# Altium PCB PIF_robot.PcbDoc (part 1 of 2)
Units mm, origin at the board's own origin, x right, y up, seen from the top; angles counter-clockwise.
Board outline 99.92 x 73.06 mm, 2 copper layers (Top Layer, Bottom Layer); 160 components, 159 nets, 631 pads, 242 vias.
Unrouted connection lines stored in the file: 4.
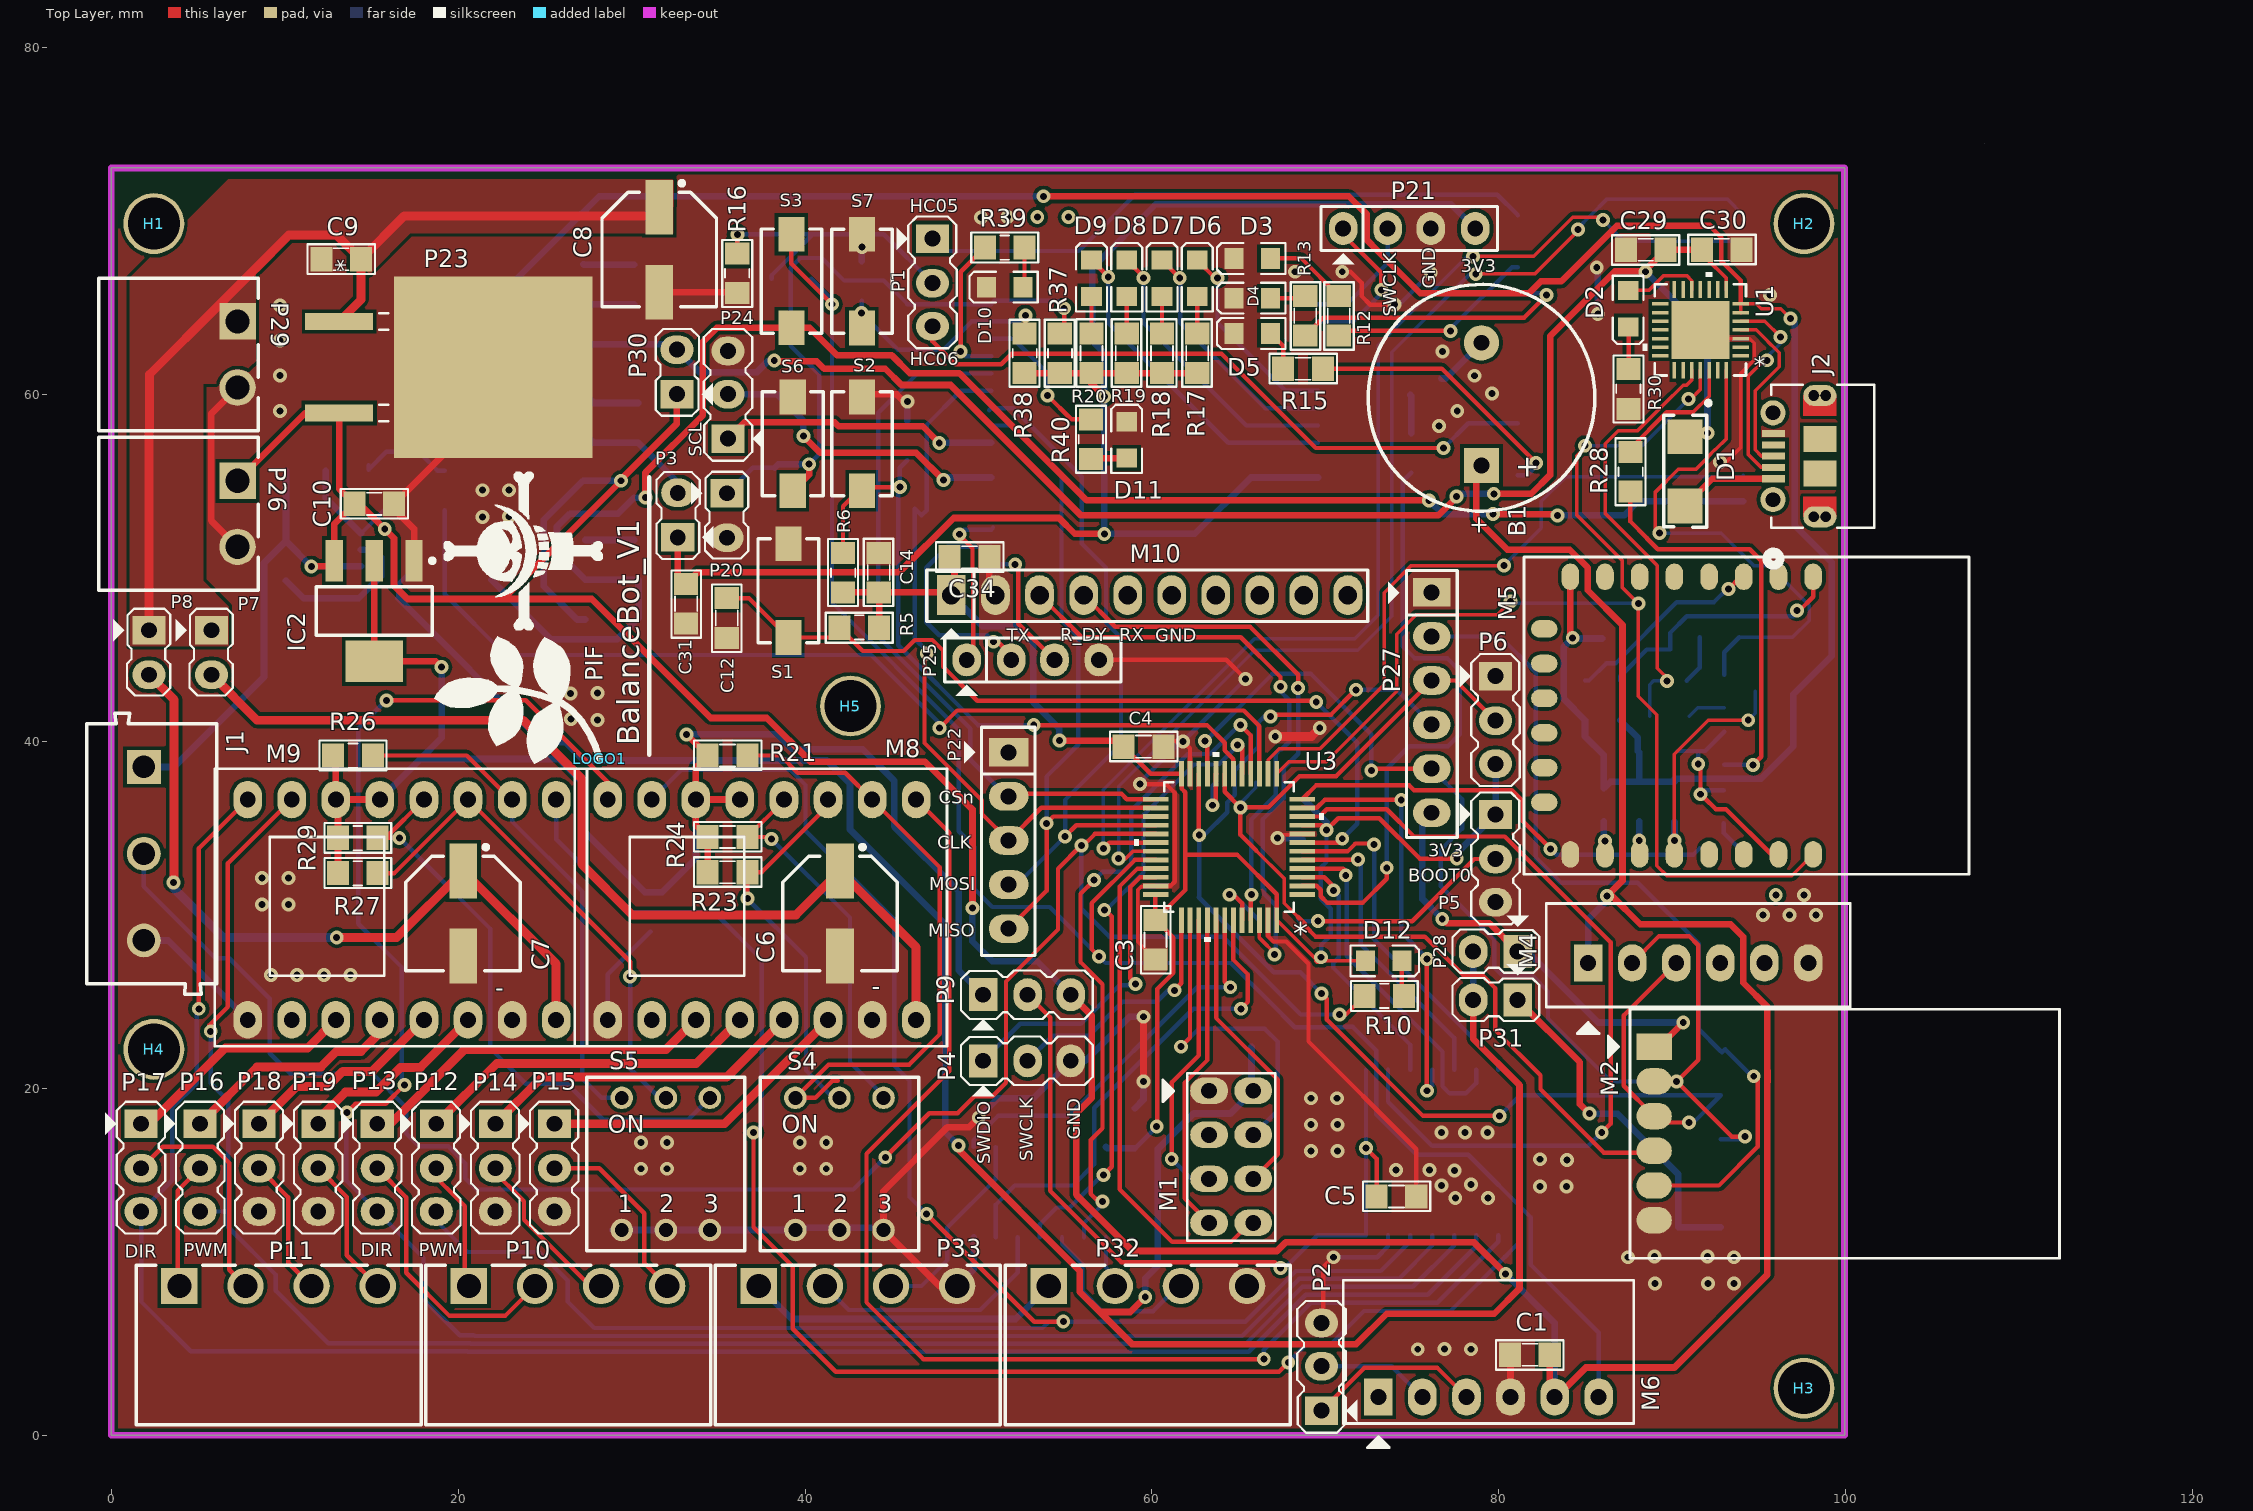
[diagram p0: Top Layer view]
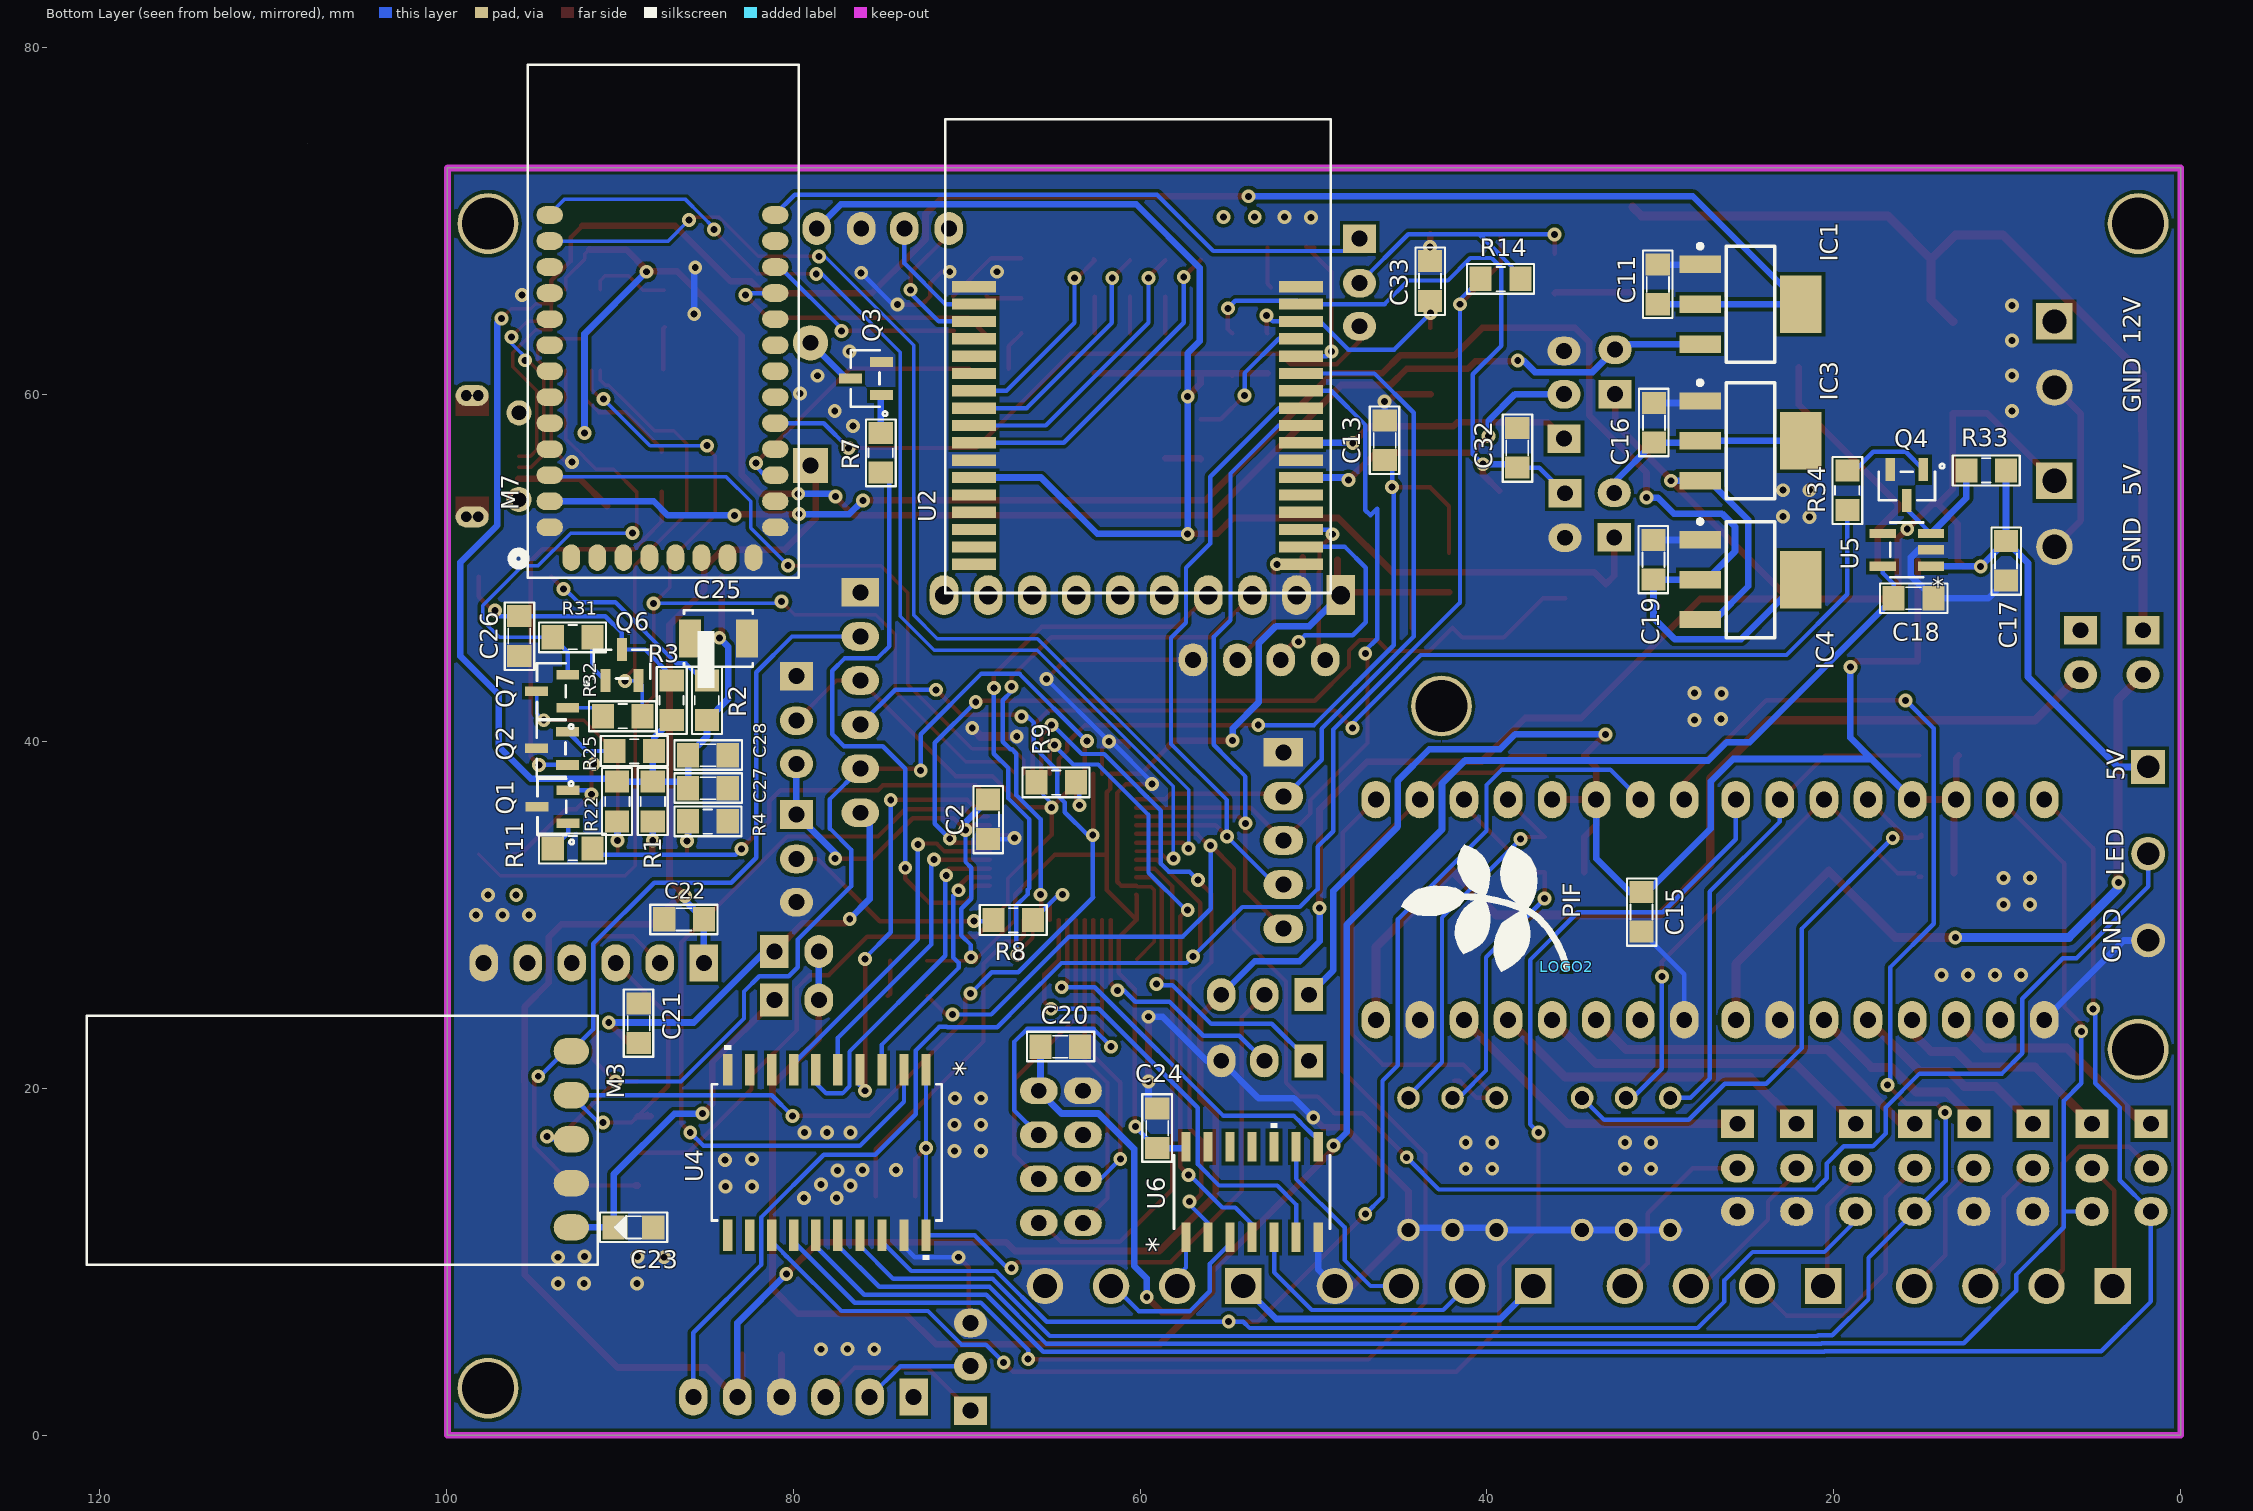
[diagram p1: Bottom Layer view, seen from below]
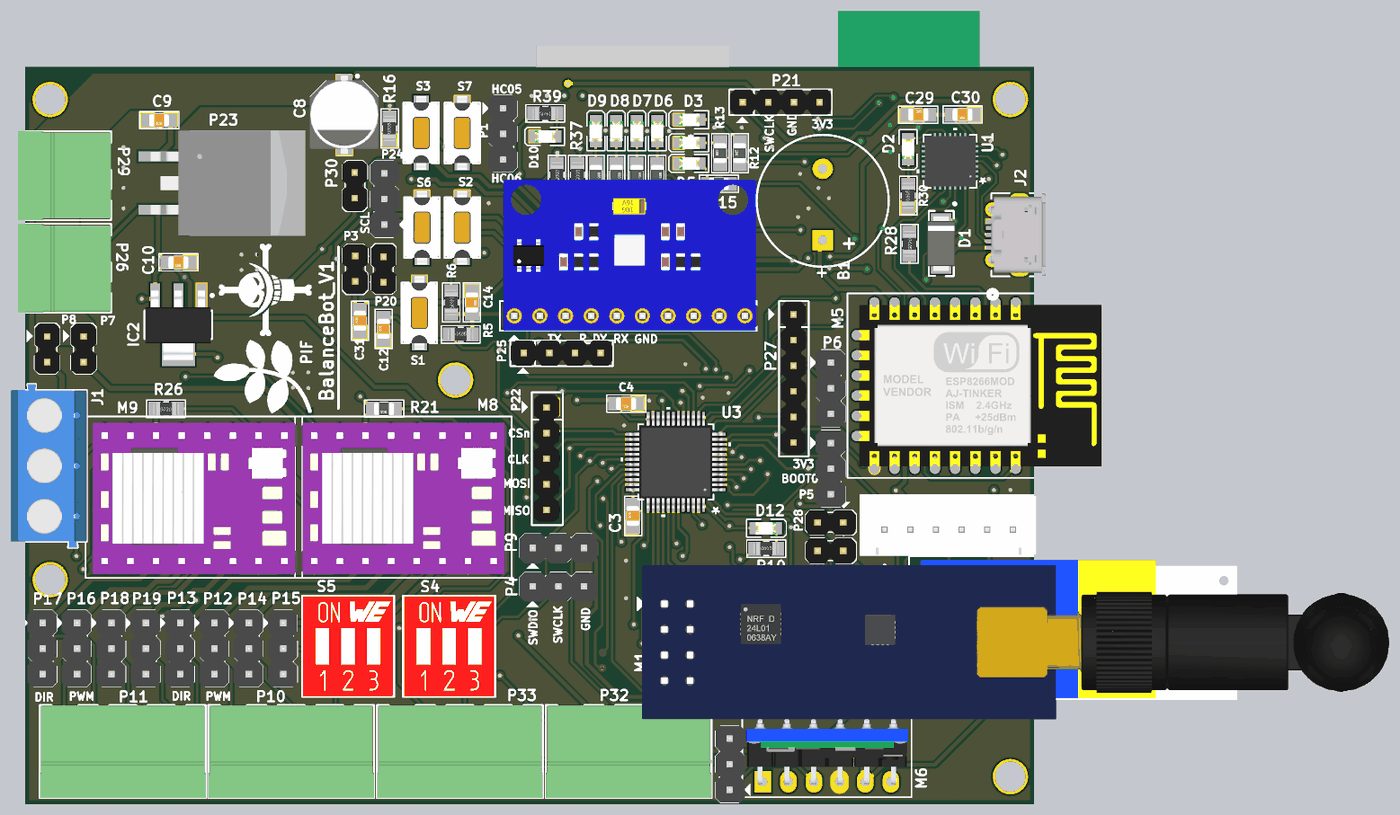
[diagram p3: 3D render of the assembled board from above, using the file's embedded part models]
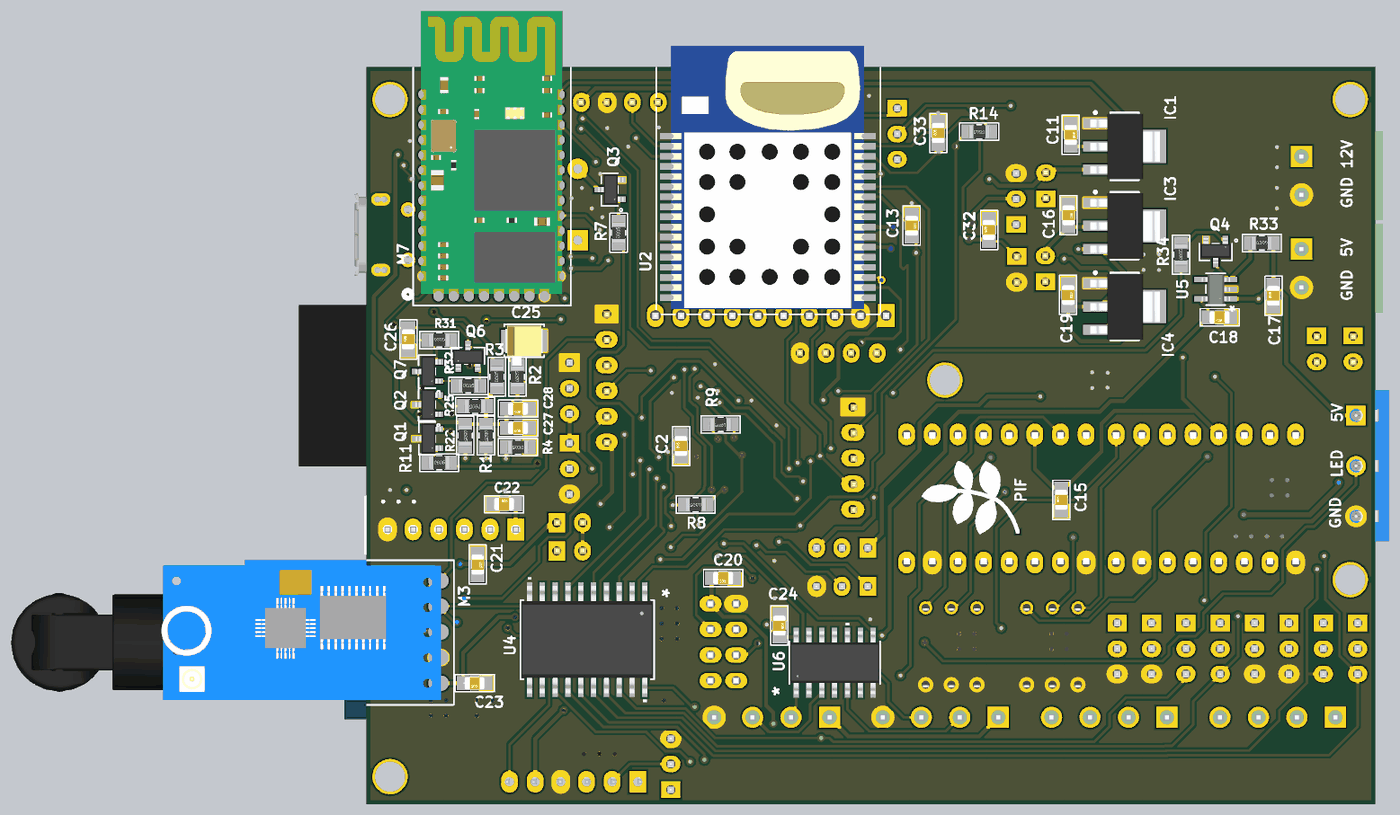
[diagram p4: 3D render of the assembled board from below, using the file's embedded part models]

## Layer stack, top to bottom
Top Solder: solder mask 0.0102, Solder Resist, Dk 3.5
Top Layer: signal copper 0.0356
Dielectric 1: dielectric 0.32, FR-4, Dk 4.8
Bottom Layer: signal copper 0.0356
Bottom Solder: solder mask 0.0102, Solder Resist, Dk 3.5

## Board outline
0,0 0,73.057 99.924,73.057 99.924,0
cut-out: 107.975,74.492

## Design rules (kind name [scope] priority, off if disabled: settings)
Clearance [All] p1: gap=0.203 ignorepadtopadclearanceinfootprint=FALSE except(0.152: SMDPad-SMDPad)
DiffPairsRouting [All] p1: maxlimit=0.254 minlimit=0.254 mostfreqgap=0.254 toplayer_minwidth=0.203 toplayer_maxwidth=0.381 toplayer_prefwidth=0.381 bottomlayer_minwidth=0.203 bottomlayer_maxwidth=0.381 bottomlayer_prefwidth=0.381 maxuncoupledlength=12.7
Height [All] p1: minheight=0 maxheight=508 prefheight=12.7
PlaneConnect [All] p1: planeconnectstyle=Direct reliefexpansion=0.508 reliefentries=4 reliefconductorwidth=0.508 reliefairgap=0.254
PolygonConnect [All] p1: connectstyle=Direct reliefconductorwidth=0.508 reliefentries=4 polygonreliefangle="90 Angle" airgapwidth=0.254
RoutingVias [All] p1: holewidth=0.4 width=0.8 viastyle="Through Hole" minholewidth=0.4 minwidth=0.8 maxholewidth=0.4 maxwidth=0.8
SolderMaskExpansion [All] p1: expansion=0.102
UnRoutedNet [All] p1: checkbadconnections=TRUE
Width [All] p1: maxlimit=0.508 minlimit=0.203 preferedwidth=0.254 minimp=50.000000 maximp=50.000000 favimp=50.000000
26 further rules are at their usual default settings.

## Classes and differential pairs
net class USB: USB_D_N USB_D_P
component class wifi: C26 C27 C28 C29 C30 D1 D2 J2 M5 Q1 Q2 Q6 Q7 R1 R2 R3 R4 R11 R22 R25 R28 R30 R31 R32 U1
component class Sensor: C24 C34 M10 P32 P33 U6
component class RF: C20 C21 C22 C23 M1 M3 M4 P28 P31
component class Power_Supply: C8 C9 C10 C11 C14 C15 C16 C17 C18 C19 IC1 IC2 IC3 IC4 P23 P26 P29 P30 Q4 R33 R34 U5
component class "Motor Control": C5 C6 C7 M8 M9 P7 P8 P9 P10 P11 P12 P13 P14 P15 P16 P17 P18 P19 R21 R23 R24 R26 R27 R29 S4 S5 U4
component class MCU: 30 B1 C2 C3 C4 C12 C13 D12 H1 H2 H3 H4 H5 J1 LOGO1 P4 P5 P6 Q3 R5 R6 R7 R8 R9 R10 S1 U3
component class Decawave: C31 C32 C33 D6 D7 D8 D9 D10 D11 P3 P20 P21 P22 P24 P25 R17 R18 R19 R20 R37 R38 R39 R40 S6 S7 U2
component class Bluetooth: C1 D3 D4 D5 M7 P1 P2 R12 R13 R14 R15 R16 S3
differential pair USB_D: +USB_D_P -USB_D_N

## Components (designator, comment, footprint, x,y, rotation, side; value= is the part's Value field where it differs from the comment)
B1 "Buzzer" BUZZER 78.994,55.868 r90 top
C1 "Cap-100nF-50V-0805" CAP-SM-0805 80.645,4.648 r0 top value=100nF/50V
C2 "Cap-100nF-50V-0805" CAP-SM-0805 68.758,34.365 r90 bottom value=100nF/50V
C3 "Cap-100nF-50V-0805" CAP-SM-0805 60.198,27.432 r90 top value=100nF/50V
C4 "Cap-100nF-50V-0805" CAP-SM-0805 60.655,39.7 r180 top value=100nF/50V
C5 "Cap-100nF-50V-0805" CAP-SM-0805 75.235,13.766 r180 top value=100nF/50V
C6 "Cap-Al-100uF-16V-D6L5" CAP-SM-AL-SIZE-D-D6L6 42.012,30.084 r270 top value=100uF/16V
C7 "Cap-Al-100uF-16V-D6L5" CAP-SM-AL-SIZE-D-D6L6 20.295,30.084 r270 top value=100uF/16V
C8 "Cap-Al-100uF-16V-D6L5" CAP-SM-AL-SIZE-D-D6L6 31.598,68.351 r270 top value=100uF/16V
C9 "Cap-10uF-50V-0805" CAP-SM-0805 14.402,67.792 r180 top value=10uF/50V
C10 "Cap-10uF-50V-0805" CAP-SM-0805 16.307,53.695 r180 top value=10uF/50V
C11 "Cap-10uF-50V-0805" CAP-SM-0805 30.15,67.487 r270 bottom value=10uF/50V
C12 "Cap-100nF-50V-0805" CAP-SM-0805 35.484,45.974 r90 top value=100nF/50V
C13 "Cap-100nF-50V-0805" CAP-SM-0805 45.898,58.496 r270 bottom value=100nF/50V
C14 "Cap-10uF-50V-0805" CAP-SM-0805 44.249,50.875 r270 top value=10uF/50V
C15 "Cap-10uF-50V-0805" CAP-SM-0805 31.09,29.031 r90 bottom value=10uF/50V
C16 "Cap-10uF-50V-0805" CAP-SM-0805 30.378,59.512 r270 bottom value=10uF/50V
C17 "Cap-100nF-50V-0805" CAP-SM-0805 10.082,49.265 r90 bottom value=100nF/50V
C18 "Cap-10uF-50V-0805" CAP-SM-0805 14.273,48.249 r0 bottom value=10uF/50V
C19 "Cap-10uF-50V-0805" CAP-SM-0805 30.404,51.612 r270 bottom value=10uF/50V
C20 "Cap-100nF-50V-0805" CAP-SM-0805 63.449,22.401 r0 bottom value=100nF/50V
C21 "Cap-100nF-50V-0805" CAP-SM-0805 88.9,24.892 r270 bottom value=100nF/50V
C22 "Cap-100nF-50V-0805" CAP-SM-0805 87.427,29.743 r180 bottom value=100nF/50V
C23 "Cap-100nF-50V-0805" CAP-SM-0805 88.062,11.988 r0 bottom value=100nF/50V
C24 "Cap-100nF-50V-0805" CAP-SM-0805 59.004,18.846 r270 bottom value=100nF/50V
C25 "TAJB107M006RNJ" CAP_SM_TAN 84.304,45.934 r180 bottom value=100uF/16V
C26 "Cap-100nF-50V-0805" CAP-SM-0805 95.785,44.933 r90 bottom value=100nF/50V
C27 "Cap-10uF-50V-0805" CAP-SM-0805 83.766,37.298 r0 bottom value=10uF/50V
C28 "Cap-100nF-50V-0805" CAP-SM-0805 83.766,39.203 r0 bottom value=100nF/50V
C29 "Cap-10uF-50V-0805" CAP-SM-0805 87.325,68.346 r0 top value=10uF/50V
C30 "Cap-100nF-50V-0805" CAP-SM-0805 93.989,68.346 r180 top value=100nF/50V
C31 "Cap-100nF-50V-0805" CAP-SM-0805 33.147,46.787 r90 top value=100nF/50V
C32 "Cap-100nF-50V-0805" CAP-SM-0805 38.252,55.778 r90 bottom value=100nF/50V
C33 "Cap-100nF-50V-0805" CAP-SM-0805 43.282,65.396 r90 bottom value=100nF/50V
C34 "Cap-100nF-50V-0805" CAP-SM-0805 50.622,50.622 r180 top value=100nF/50V
D1 "SS14" SS14 90.729,55.57 r270 top
D2 "LED-RED-TH-3mm" LED_0805_Blue 87.452,64.943 r270 top value="Red, 2V"
D3 "LED-GREEN-TH-3mm" LED_0805_Blue 65.786,67.838 r180 top value="Green, 2V"
D4 "LED-YELLOW-TH-3mm" LED_0805_Blue 65.786,65.552 r180 top value="Yellow, 2V"
D5 "LED-RED-TH-3mm" LED_0805_Blue 65.786,63.52 r180 top value="Red, 2V"
D6 "LED-RED-TH-3mm" LED_0805_Blue 62.611,66.695 r90 top value="Red, 2V"
D7 "LED-RED-TH-3mm" LED_0805_Blue 60.579,66.695 r90 top value="Red, 2V"
D8 "LED-YELLOW-TH-3mm" LED_0805_Blue 58.547,66.695 r90 top value="Yellow, 2V"
D9 "LED-GREEN-TH-3mm" LED_0805_Blue 56.515,66.695 r90 top value="Green, 2V"
D10 "LED-RED-TH-3mm" LED_0805_Blue 51.511,66.187 r180 top value="Red, 2V"
D11 "LED-RED-TH-3mm" LED_0805_Blue 58.542,57.378 r90 top value="Red, 2V"
D12 "LED-RED-TH-3mm" LED_0805_Blue 73.355,27.355 r0 top value="Red, 2V"
H1 "Hole" "LO KHOAN 3MM"#1 4.724,69.825 r0 top
H2 "Hole" "LO KHOAN 3MM"#2 100.635,68.853 r0 top
H3 "Hole" "LO KHOAN 3MM"#3 102.946,1.778 r0 top
H4 "Hole" "LO KHOAN 3MM"#4 2.134,23.19 r0 top
H5 "Hole" "LO KHOAN 3MM"#5 42.621,42.037 r0 top
IC1 "AMS1117" SOT223 24.816,65.201 r180 bottom value=LM317
IC2 "AMS1117" SOT223 15.164,47.52 r270 top value=LM317
IC3 "AMS1117" SOT223 24.816,57.327 r180 bottom value=LM317
IC4 "AMS1117" SOT223 24.816,49.326 r180 bottom value=LM317
J1 "691102710003" 691102710003 2.337,33.528 r270 top
J2 "105017-0001" CONN_105017-0001 98.671,56.443 r90 top locked
LOGO1 "LOGO PIF" "PIF LOGO BIG SSTOP" 28.524,38.71 r90 top
LOGO2 "LOGO PIF" "PIF LOGO BIG SSTOP" 35.052,26.721 r90 bottom (schematic designator LOGO1)
M1 "NRF24L01" NRF24L01 63.297,19.862 r180 top locked
M2 "LC12S" LC12S 88.951,22.401 r180 top
M3 "HC-12" HC-12 92.786,11.988 r180 bottom locked
M4 "Holybro Radio" Holybro-Radio 85.141,27.229 r270 top locked
M5 "ESP8266-12F" ESP8266-12F 84.115,49.49 r270 top locked
M6 "HC-0506 TH" "HC-0506 TH" 73.05,2.21 r270 top
M7 "HC-0506 SMD" "HC-0506 SMD" 94.031,52.347 r180 bottom
M8 "DRV8825" DRV8825 28.626,36.651 r270 top locked
M9 "DRV8825" DRV8825 7.874,36.651 r270 top locked
M10 "GY9250" GY9250 48.438,48.437 r0 top locked
P1 "Header 3" JP3 47.346,66.446 r270 top
P2 "Header 3" JP3 69.774,3.962 r90 top
P3 "Header 2" JP2 32.664,51.765 r90 top
P4 "Header 3" JP3 52.807,21.59 r0 top
P5 "Header 3" JP3 79.807,33.249 r270 top
P6 "Header 3" JP3 79.807,41.224 r270 top locked
P7 "Header 2" JP2 5.791,46.406 r270 top
P8 "Header 2" JP2 2.184,46.406 r270 top
P9 "Header 3" JP3 52.807,25.4 r0 top
P10 "691322310004" 691322310004 26.34,5.207 r0 top locked
P11 "691322310004" 691322310004 9.652,5.207 r0 top
P12 "Header 3" JP3 18.745,15.418 r270 top locked
P13 "Header 3" JP3 15.342,15.418 r270 top locked
P14 "Header 3" JP3 22.149,15.418 r270 top locked
P15 "Header 3" JP3 25.552,15.418 r270 top locked
P16 "Header 3" JP3 5.131,15.418 r270 top locked
P17 "Header 3" JP3 1.727,15.418 r270 top locked
P18 "Header 3" JP3 8.534,15.418 r270 top locked
P19 "Header 3" JP3 11.938,15.418 r270 top locked
P20 "Header 2" JP2 35.509,54.305 r270 top
P21 "Header 4" JP4 73.558,69.565 r0 top
P22 "Header 5" JP5 51.74,39.37 r270 top
P23 "LM7805 SMD" D2PAK_STM 22.022,61.569 r270 top
P24 "Header 3" JP3 35.56,59.995 r90 top
P25 "Header 4" JP4 51.867,44.704 r0 top locked
P26 "691322310002" 691322310002 3.89,53.121 r270 top
P27 "Header 6" JP6 76.124,48.59 r270 top locked
P28 "Header 2" JP2 81.077,27.889 r180 top
P29 "691322310002" 691322310002 3.89,62.305 r270 top
P30 "Header 2" JP2 32.614,60.02 r90 top
P31 "Header 2" JP2 81.077,25.095 r180 top
P32 "691322310004" 691322310004 59.766,5.207 r0 top locked
P33 "691322310004" 691322310004 43.053,5.207 r0 top locked
Q1 "IRLML6402TRPBF" SOT23_NEX 93.911,36.233 r90 bottom
Q2 "IRLML6402TRPBF" SOT23_NEX 93.942,39.599 r90 bottom
Q3 "MMBT3904-1AM" SOT23_NEX 75.844,60.923 r90 bottom
Q4 "MMBT3904-1AM" SOT23_NEX 15.797,54.726 r0 bottom
Q6 "S8050" SOT23_NEX 89.867,44.45 r180 bottom
Q7 "S8050" SOT23_NEX 93.936,42.888 r90 bottom
R1 "Res-12K-0805" RES-SM-0805 88.09,37.679 r270 bottom value=12K
R2 "Res-12K-0805" RES-SM-0805 84.964,41.224 r90 bottom value=12K
R3 "Res-12K-0805" RES-SM-0805 86.996,41.224 r90 bottom value=12K
R4 "Res-12K-0805" RES-SM-0805 83.766,35.393 r0 bottom value=12K
R5 "Res-10k-0805" RES-SM-0805 41.986,46.557 r0 top value=10K
R6 "Res-10k-0805" RES-SM-0805 42.189,50.875 r270 top value=10K
R7 "Res-15K-0805" RES-SM-0805 74.941,55.493 r90 bottom value=15K
R8 "Res-100K-0805" RES-SM-0805 66.163,29.704 r0 bottom value=100K
R9 "Res-100K-0805" RES-SM-0805 63.695,37.642 r0 bottom value=100K
R10 "Res-1K-0805" RES-SM-0805 72.254,25.323 r0 top value=1K
R11 "Res-1K-0805" RES-SM-0805 93.854,33.833 r180 bottom value=1K
R12 "Res-470-0805" RES-SM-0805 70.773,63.393 r90 top value=470
R13 "Res-470-0805" RES-SM-0805 68.834,63.393 r90 top value=470
R14 "Res-2.2K-0805" RES-SM-0805 38.075,66.666 r0 bottom value=2.2K
R15 "Res-470-0805" RES-SM-0805 69.85,61.488 r180 top value=470
R16 "Res-10k-0805" RES-SM-0805 36.093,65.837 r90 top value=10K
R17 "Res-1K-0805" RES-SM-0805 62.611,63.52 r270 top value=1K
R18 "Res-1K-0805" RES-SM-0805 60.579,63.52 r270 top value=1K
R19 "Res-1K-0805" RES-SM-0805 58.547,63.52 r270 top value=1K
R20 "Res-1K-0805" RES-SM-0805 56.515,63.52 r270 top value=1K
R21 "Res-1K-0805" RES-SM-0805 36.678,39.191 r180 top value=1K
R22 "Res-12K-0805" RES-SM-0805 90.146,37.679 r270 bottom value=12K
R23 "Res-1K-0805" RES-SM-0805 36.678,32.46 r180 top value=1K
R24 "Res-1K-0805" RES-SM-0805 36.678,34.492 r180 top value=1K
R25 "Res-1K-0805" RES-SM-0805 88.012,39.446 r0 bottom value=1K
R26 "Res-1K-0805" RES-SM-0805 15.088,39.191 r180 top value=1K
R27 "Res-1K-0805" RES-SM-0805 15.367,32.41 r180 top value=1K